# Altium PCB radxa_cm4_io_v1.10.PcbDoc (part 5 of 8) (continued)
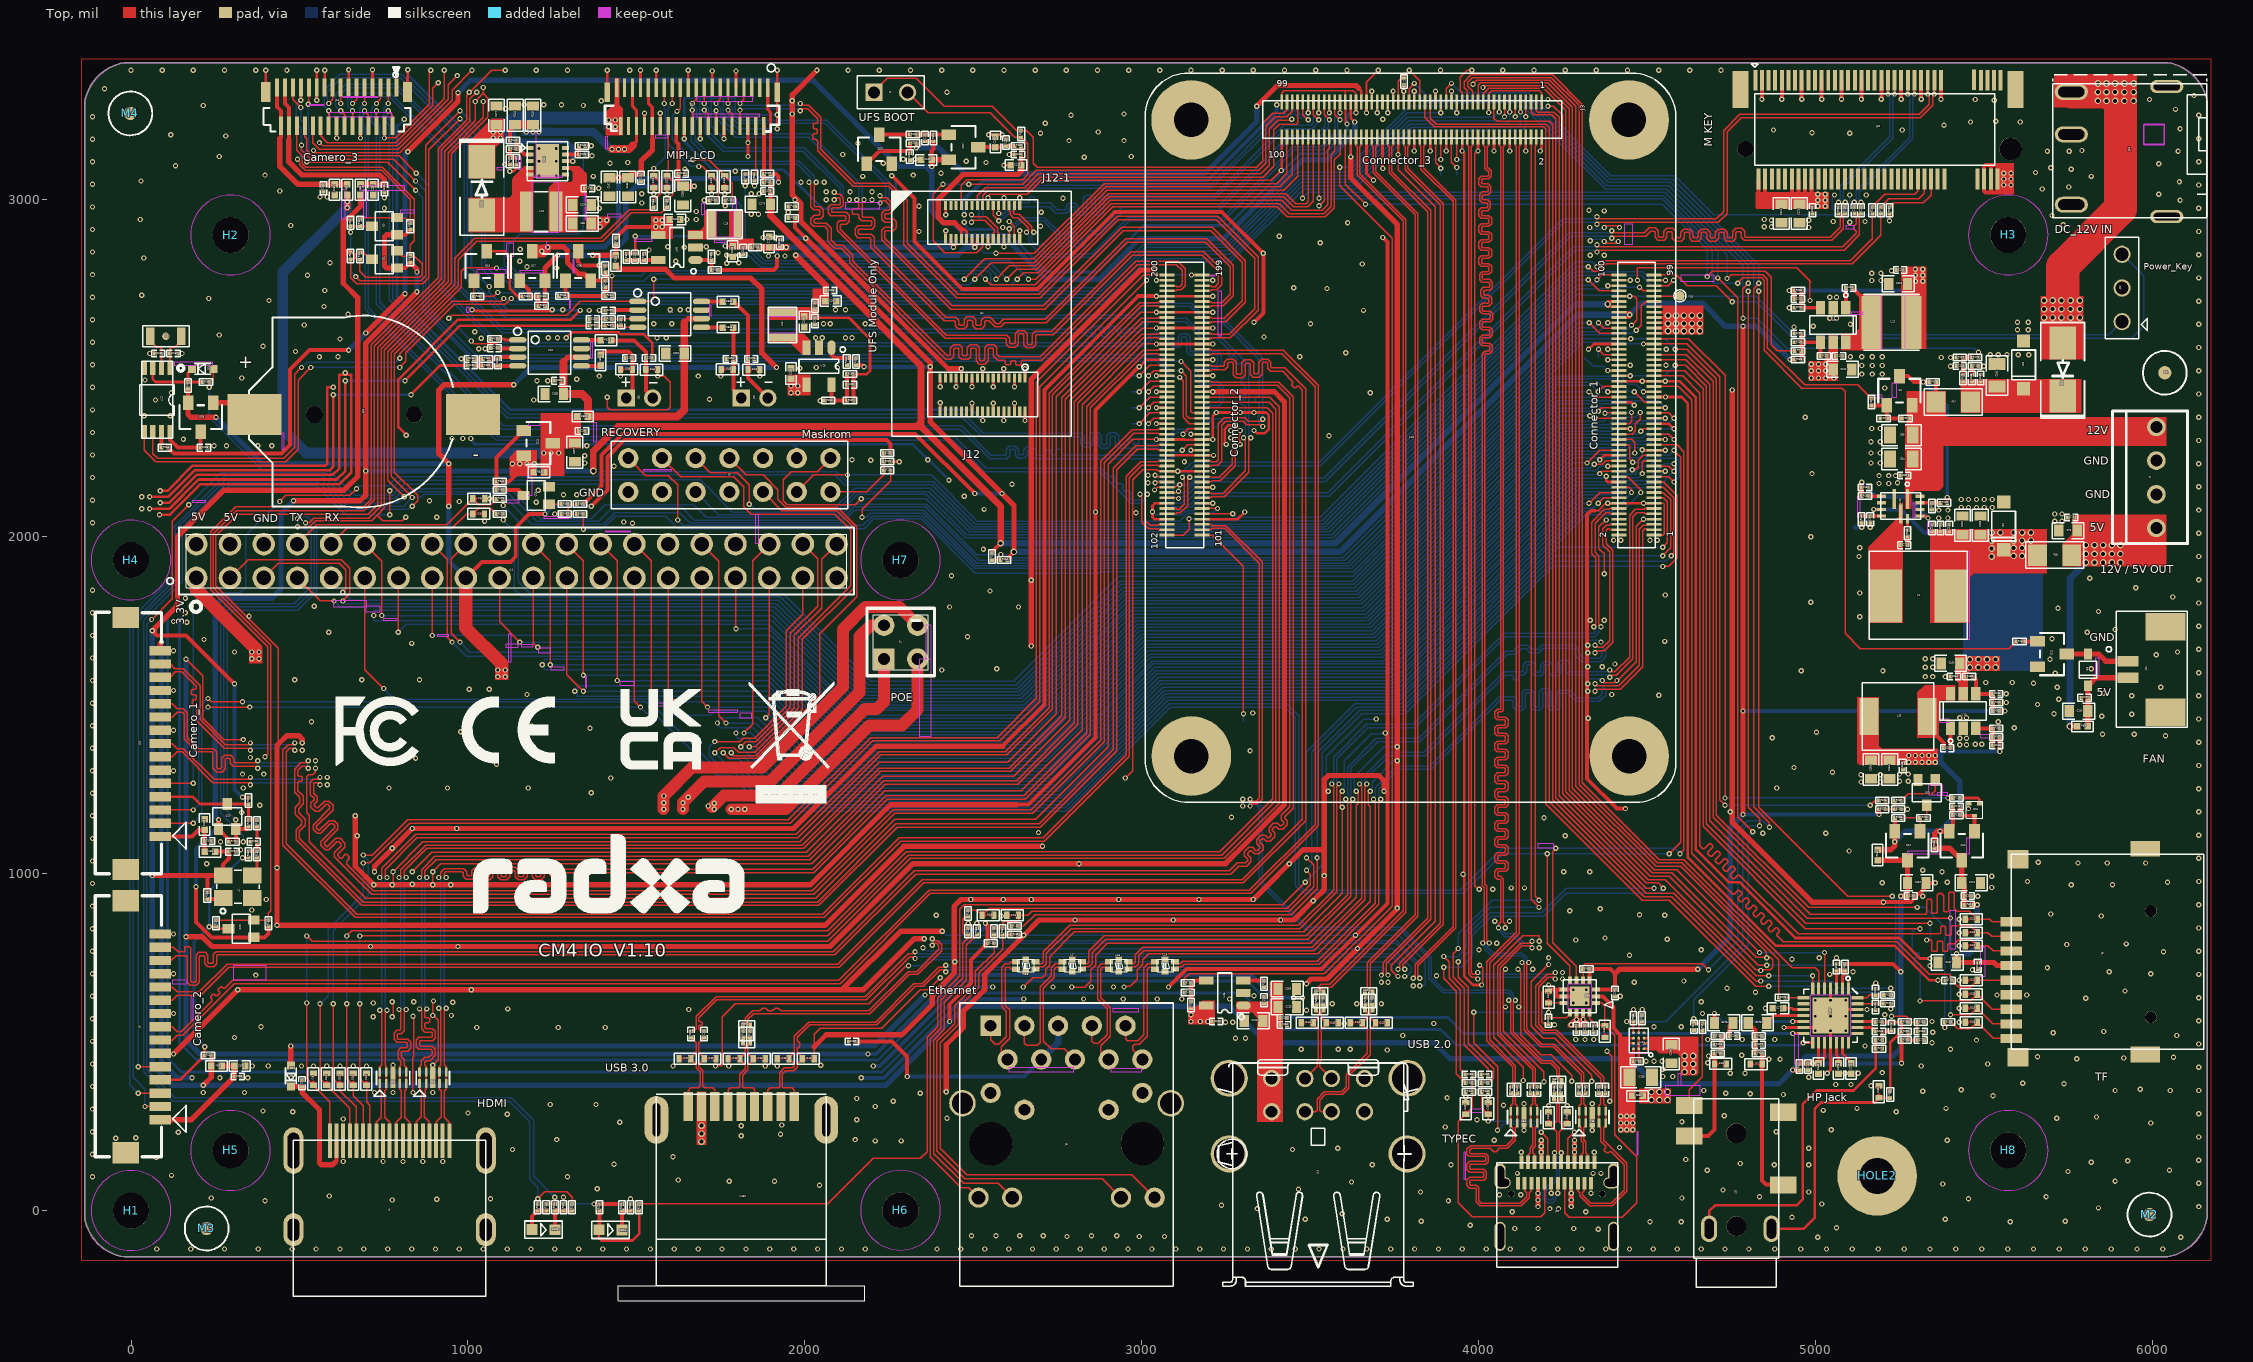
[diagram p0: Top view]
## Nets (pads, with @x,y where several pads share a name; then routed paths per layer and width w, separated by ;. In a path a pad name is that pad's centre, name@x,y a point inside that pad or via, vN(x,y) a via of type N, cw(c..) or ccw(c..) an arc to the next point about the centre after c; other vN are vias at no path point) (continued)
N19591867: R236.2 R246.2 U21.9 | length 65
  Top w11.81: U21.9@1289.37,3133.86 R236.2@1328.74,3133.86 R246.2@1328.74,3159.45
N19592734: R229.2 R233.2 U20.2 | length 167.5
  Top w11.81: R233.2@1877.95,3051.18 R229.2@1877.95,3076.77 U20.2@1877.95,3218.71
N19592784: Q16.1 R234.2 R235.1 R243.2 | length 189
  Top w11.81: Q16.1@1289.37,2759.84 R243.2@1289.37,2714.57 R234.2@1407.48,2714.57 R235.1@1407.48,2740.16
N23443315: C275.2 C280.1 FB16.1 R286.2 R316.1 | length 120.2
  Top w11.81: FB16.1@4718.5,466.54 R316.1@4718.5,492.13 R286.2@4718.5,517.72 C280.1@4744.09,517.72 4744.09,547.24 C275.2@4753.94,557.09
N31344489: FB23.1 U31.8 | length 57.5
  Top w11.81: U31.8@1336.61,2583.67 1392.71,2583.67 FB23.1@1393.7,2582.68
N31344544: C283.2 U31.2 | length 59.5
  Top w11.81: C283.2@1088.58,2559.06 1089.56,2558.07 U31.2@1147.64,2558.07
N31344597: C286.1 R334.2 U31.3 | length 86.7
  Top w11.81: R334.2@1062.99,2527.56 C286.1@1088.58,2527.56 1093.5,2532.48 U31.3@1147.64,2532.48
N31344662: C286.2 R335.2 U31.4 | length 92.9
  Top w11.81: R335.2@1062.99,2507.87 1059.06,2507.87 C286.2@1088.58,2507.87 1089.57,2506.89 U31.4@1147.64,2506.89
N31344668: FB24.1 U31.5 | length 57.5
  Top w11.81: U31.5@1336.61,2506.89 1392.71,2506.89 FB24.1@1393.7,2507.87
N31367008: C293.1 R336.2 U32.3 | length 77.2
  Top w3.94: R336.2@1427.17,2645.67 C293.1@1454.72,2645.67 1455.71,2646.65 U32.3@1503.94,2646.65
N31367020: C293.2 R337.2 U32.4 | length 78.8
  Top w3.94: R337.2@1427.17,2625.98 C293.2@1454.72,2625.98 1459.65,2621.06 U32.4@1503.94,2621.06
N31367085: FB25.1 U32.8 | length 63.4
  Top w11.81: U32.8@1692.91,2697.84 1754.92,2697.84 FB25.1@1755.91,2696.85
N31367111: C290.2 U32.2 | length 77.2
  Top w11.81: C290.2@1427.17,2671.26 1428.15,2672.25 U32.2@1503.94,2672.25
N31367151: FB26.1 U32.5 | length 63.4
  Top w11.81: U32.5@1692.91,2621.06 1754.93,2621.06 FB26.1@1755.91,2620.08
N34109734: C167.1 C168.1 J8.4 R31.2 | length 402.3
  Top w15.75: v1(5417.32,761.81) C167.1@5417.32,736.22 C168.1@5480.32,736.22 5528.35,736.22 5537.4,727.17 J8.4@5579.7,727.17 ; R31.2@5460.63,907.48 v1(5478.35,907.48)
  Bottom w15.75: v1(5417.32,761.81) 5454.72,761.81 5478.35,785.43 v1(5478.35,907.48)
N37314098: L22.1 U26.3
N37314100: C201.1 C203.1 C206.1 L22.2 R284.1 R287.1 R289.1 | length 416
  Top w7.87: C206.1@2029.53,2649.61 2129.92,2649.61 2192.91,2586.61 2192.91,2492.13 2183.07,2482.28 R289.1@2143.7,2482.28
  Top w11.81: R287.1@2143.7,2403.54 C201.1@2143.7,2450.79 R289.1@2143.7,2482.28
N37314140: C201.2 R287.2 R289.2 R318.1 U26.5 | length 171.3
  Top w11.81: U26.5@2078.74,2450.79 R318.1@2078.74,2403.54 R287.2@2124.02,2403.54 C201.2@2124.02,2450.79 R289.2@2124.02,2482.28
N37314178: L29.1 U30.3
N37314204: R331.2 R332.1 U30.1 | length 76.8
  Top w11.81: U30.1@1675.2,2820.87 R332.1@1722.44,2820.87 R331.2@1722.44,2791.34
N37314206: C242.2 R329.2 R330.1 U30.5 | length 96.5
  Top w3.94: R330.1@1519.68,2820.87 R330.1@1521.65,2820.87
  Top w11.81: R329.2@1470.47,2820.87 C242.2@1496.06,2820.87 1519.68,2820.87 U30.5@1564.96,2820.87
N37314307: C228.2 Q22.1 R321.2 R322.1 | length 96.5
  Top w11.81: R322.1@2330.71,3192.91 C228.2@2356.3,3192.91 R321.2@2381.89,3192.91 2396.65,3192.91 Q22.1@2427.16,3192.91
N37314321: Q23.3 R322.2 | length 90.6
  Top w11.81: Q23.3@2220.47,3192.92 2270.67,3192.92 R322.2@2311.02,3192.91
N37314323: C232.1 Q23.1 R323.2 | length 178.9
  Top w11.81: Q23.1@2183.07,3106.3 2220.48,3143.7 2311.02,3143.7 C232.1@2311.02,3137.8 R323.2@2311.02,3167.32
N38149696: C175.1 D8.2 J5.18 | length 399.4
  Top w11.81: 604.33,142.05 609.92,147.64 J5.18@609.92,207.82
  Top w15.75: D8.2@474.41,368.11 C175.1@507.87,368.11 507.87,350.39 559.06,299.21 559.06,141.73 564.96,135.83 598.11,135.83 604.33,142.05
N38162604: C150.1 R181.2 U10.6 | length 59.1
  Top w9.84: R181.2@5135.83,2061.02 C150.1@5161.42,2061.02 U10.6@5194.88,2061.02
N38162840: C163.1 R185.2 R202.1 R204.2 U13.4 | length 157.6
  Top w11.81: R185.2@5464.57,1584.65 5474.41,1574.8 U13.4@5474.41,1533.46 C163.1@5525.59,1533.46 R202.1@5525.59,1507.87 R204.2@5525.59,1482.28
N38162882: C152.2 L15.1 U13.6 | length 114.9
  Top w11.81: L15.1@5330.71,1466.54 5336.61,1460.63 5336.61,1431.1 5379.92,1387.8 C152.2@5379.92,1372.05
N38162884: C152.1 U13.1 | length 59.1
  Top w11.81: C152.1@5399.61,1372.05 U13.1@5399.61,1431.1
N38162900: C160.2 R187.2 R205.1 U13.3 | length 102.4
  Top w11.81: U13.3@5474.41,1431.1 R205.1@5525.59,1431.1 R187.2@5525.59,1405.51 C160.2@5525.59,1379.92
N38162991: D4.1 J24.1 | length 942.6
  Top w98.43: D4.1@5732.28,2574.8 5732.28,2801.18 5903.54,2972.44 5903.54,3287.4 5871.26,3319.69 J24.1@5757.87,3319.69
  other v2: 5677.17,2649.61 5702.76,2649.61 5728.35,2649.61 5755.91,2649.61 5783.46,2649.61 5677.17,2675.2 5702.76,2675.2 5728.35,2675.2 5755.91,2675.2 5783.46,2675.2 5677.17,2700.79 5702.76,2700.79 5728.35,2700.79 5755.91,2700.79 5783.46,2700.79 5836.61,3293.31 5862.2,3293.31 5887.8,3293.31 5915.35,3293.31 5942.91,3293.31 5836.61,3318.9 5862.2,3318.9 5887.8,3318.9 5915.35,3318.9 5942.91,3318.9 5836.61,3344.49 5862.2,3344.49 5887.8,3344.49 5915.35,3344.49 5942.91,3344.49
N38163032: C155.2 R201.2 | length 25.6
  Top w11.81: C155.2@5462.6,2480.31 R201.2@5462.6,2505.91
N38163042: C148.1 R176.1 R178.2 R179.2 | length 76.8
  Top w11.81: R176.1@5437.01,2480.31 C148.1@5437.01,2505.91 R179.2@5437.01,2531.5 R178.2@5462.6,2531.5
N38163178: C151.1 R182.2 U10.9 | length 308.3
  Top w7.87: U10.9@5309.06,2061.02 5326.77,2061.02 v1(5332.68,2055.12)
  Top w11.81: R182.2@5135.83,2120.08 C151.1@5135.83,2145.67 v1(5135.83,2161.42)
  Bottom w11.81: v1(5135.83,2161.42) 5179.13,2118.11 5269.68,2118.11 v1(5332.68,2055.12)
N38163182: C77.2 L2.1 U10.7
N38163194: R115.1 U10.8 | length 33.5
  Top w9.84: R115.1@5271.65,2019.69 U10.8@5271.66,2053.15
N38163196: C77.1 R115.2 | length 25.6
  Top w11.81: C77.1@5271.65,1974.41 R115.2@5271.65,2000
N38163206: R175.1 R177.2 U10.11 | length 63
  Top w3.94: R177.2@5344.49,2100.39 R177.2@5346.45,2100.39
  Top w9.84: U10.11@5309.06,2100.39 5346.46,2100.39 R175.1@5370.08,2100.39
N38163220: R182.1 U10.3 | length 39.4
  Top w9.84: R182.1@5155.51,2120.08 U10.3@5194.88,2120.08
N38163995: Q12.1 R206.1 R208.1 | length 94.5
  Top w3.94: R206.1@5253.94,1165.35 R208.1@5309.06,1165.35 Q12.1@5309.05,1125.99
N38164007: R209.2 R210.1 R326.2 R327.2 | length 78.7
  Top w3.94: R326.2@5206.69,1216.54 R327.2@5206.69,1190.94 R210.1@5234.25,1190.94 R209.2@5234.25,1216.54
N38164009: Q13.1 R209.1 | length 144.1
  Top w3.94: R209.1@5253.94,1216.54 5273.62,1236.22 5344.49,1236.22 5354.33,1246.06 Q13.1@5354.33,1277.56
N38164029: Q13.3 R208.2 | length 37.4
  Top w3.94: R208.2@5328.74,1165.35 Q13.3@5328.74,1202.76
N38175041: C173.2 Q14.1 Q15.3 R213.1 | length 115.2
  Top w11.81: C173.2@5427.17,1198.82 R213.1@5427.17,1173.23 5428.74,1171.65 Q15.3@5470.37,1171.65 5470.47,1171.56 Q14.1@5470.47,1125.99
N38175045: Q15.1 R230.2 | length 71.3
  Top w7.87: R230.2@5427.17,1224.41 5480.32,1224.41 5486.22,1218.5 Q15.1@5486.22,1208.66
N38179051: C187.2 U22.1 Y3.1 | length 114.1
  Top w5.91: U22.1@116.14,2500 C187.2@116.14,2543.31 116.14,2557.09 122.05,2562.99 131.89,2562.99 147.64,2578.74 147.64,2592.52 Y3.1@149.61,2594.49
N38179153: C189.2 U22.2 Y3.2 | length 114.1
  Top w5.91: Y3.2@57.09,2594.49 59.06,2592.52 59.06,2578.74 74.8,2562.99 84.65,2562.99 90.55,2557.09 C189.2@90.55,2543.31 U22.2@90.55,2500
N38179175: D30.2 R16.2 R265.2 U22.3 | length 228.6
  Top w7.87: U22.3@64.96,2500 64.96,2466.54 72.83,2458.66 R16.2@169.29,2458.66 ; D30.2@181.1,2498.03 169.29,2486.22 R16.2@169.29,2458.66 ; R265.2@212.6,2458.66 R16.2@169.29,2458.66
N38183775: D3.1 J11.8 R273.1 | length 661.7
  Top w3.94: J11.8@493.7,1977.56 551.57,2035.43 937.01,2035.43 D3.1@1014.17,2112.6 1032.28,2094.49 1066.93,2094.49 R273.1@1084.65,2112.2
N38194639: D2.1 J11.10 R274.1 | length 542.6
  Top w3.94: J11.10@593.7,1977.56 641.73,2025.59 952.76,2025.59 994.09,2066.93 D2.1@1013.78,2066.93 1031.5,2084.65 1066.93,2084.65 R274.1@1084.65,2066.93
N38198421: D35.2 FB8.3 R283.1 USB1.3 | length 258.1
  Top w3.94: R283.1@1836.61,513.78 1836.61,499.01 FB8.3@1837.6,499.01 1830.71,492.12 1830.71,466.54 D35.2@1846.46,450.79 1839.97,441.35 1830.71,432.09 1830.71,417.32 1814.96,401.57 1814.96,367.13 1817.91,364.17 1844.49,364.17 1850.39,358.27 USB1.3@1850.39,308.66
N38198427: C204.2 D39.2 USB1.8 | length 256.7
  Top w3.94: C204.2@1700.79,513.78 1685.04,498.03 1685.04,494.09 1685.04,469.49 1694.31,460.22 D39.2@1700.79,450.79 1694.31,441.35 1685.04,432.09 1685.04,426.49 1696.85,414.68 1696.85,370.08 1702.76,364.17 1726.38,364.17 1732.28,358.27 USB1.8@1732.28,308.66
N38198429: C205.2 D37.2 USB1.9 | length 255.6
  Top w3.94: USB1.9@1653.54,308.66 1653.54,356.3 1661.42,364.17 1683.07,364.17 1688.98,370.08 1688.98,411.42 1677.17,423.23 1677.17,432.09 1667.9,441.35 D37.2@1661.42,450.79 1667.9,460.22 1677.17,469.49 1677.17,494.09 1677.17,498.03 C205.2@1661.42,513.78
N38198493: D38.2 FB8.4 R282.1 USB1.2 | length 257.5
  Top w3.94: USB1.2@1771.65,308.66 1771.65,358.27 1777.56,364.17 1804.13,364.17 1807.09,367.13 1807.09,404.84 1822.83,420.58 1822.83,432.09 1813.57,441.35 D38.2@1807.09,450.79 1822.83,466.54 1822.83,492.12 FB8.4@1815.94,499.01 1816.93,500 R282.1@1816.93,513.78
N38202668: R277.2 R279.1 R280.1 U25.4 | length 103.7
  Top w11.81: R277.2@3145.67,620.08 R280.1@3145.67,647.64 R279.1@3145.67,675.2 3153.54,683.07 U25.4@3190.95,683.07
N38213216: R354.1 U37.D2 | length 37.5
  Top w3.94: U37.D2@4474.41,527.56 4474.41,551.18 R354.1@4484.25,561.02
N38228022: C197.1 C200.1 D6.2 FB9.2 J14.2 | length 251.3
  Top w3.94: C197.1@5807.09,1519.69 C197.1@5807.09,1521.65
  Top w15.75: FB9.2@5807.09,1437.01 C200.1@5807.09,1482.28 5807.09,1519.69 D6.2@5807.09,1557.09 5831.1,1581.1 J14.2@5926.38,1581.1
N38228074: D6.1 J14.1 Q21.3 | length 191.1
  Top w15.75: Q21.3@5744.1,1651.57 D6.1@5807.09,1651.57 5838.98,1651.57 5860.24,1630.32 J14.1@5926.38,1630.32
N38228088: Q21.1 R14.2 | length 43.3
  Top w11.81: R14.2@5614.17,1688.98 Q21.1@5657.48,1688.97
N38240450: C231.1 C233.1 FB4.1 J16.28 J16.29 | length 624.2
  Top w3.94: C233.1@718.5,3045.28 C233.1@719.36,3045.28
  Top w11.02: 468.5,3177.17 J16.28@468.5,3219.5
  Top w11.81: J16.29@456.69,3332.68 456.69,3285.43 468.5,3273.62 J16.28@468.5,3219.5
  Top w15.75: 468.5,3177.17 468.5,3112.2 507.87,3072.83 738.19,3072.83 751.97,3059.06 C231.1@751.97,3041.34 751.97,3045.28 719.36,3045.28 FB4.1@681.1,3045.28
N38240452: C234.1 C235.1 FB5.1 J16.30 J16.31 | length 465.3
  Top w3.94: C235.1@569.42,3045.28 570.87,3043.83 C235.1@570.87,3043.31 ; C234.1@604.02,3045.28 C234.1@604.33,3045.28
  Top w11.02: 440.94,3181.1 444.88,3185.04 J16.30@444.88,3219.5
  Top w11.81: J16.31@433.07,3332.68 433.07,3275.59 444.88,3263.78 J16.30@444.88,3219.5
  Top w15.75: 440.94,3181.1 440.94,3100.39 496.06,3045.28 569.42,3045.28 604.02,3045.28 FB5.1@641.73,3045.28
N38245392: Q24.1 R344.1 R350.1 | length 210.6
  Top w11.81: R350.1@1084.65,2137.8 R344.1@1084.65,2163.39 1084.65,2234.25 Q24.1@1165.35,2314.96
N38245412: R356.2 R357.2 R358.2 R359.1 | length 80.7
  Top w3.94: R356.2@1322.83,2066.93 R359.1@1297.24,2066.93 R358.2@1297.24,2096.46 R357.2@1322.83,2096.46
N38245414: Q25.1 R358.1 | length 37.4
  Top w3.94: Q25.1@1240.16,2096.46 R358.1@1277.56,2096.46
N38245434: Q25.3 R350.2 | length 67.5
  Top w11.81: R350.2@1104.33,2137.8 1149.61,2137.8 Q25.3@1165.36,2122.05
N38274077: Q1.3 R1.2 R175.2 | length 483.5
  Top w11.81: Q1.3@5248.03,2476.38 5273.62,2476.38 5291.34,2458.66 v1(5318.9,2458.66) R1.2@5336.61,2458.66 ; R175.2@5389.76,2100.39 v1(5389.76,2116.14)
  Bottom w11.81: v1(5318.9,2458.66) 5389.76,2387.8 v1(5389.76,2116.14)
N38274095: Q1.1 R2.2 R5.1 R6.2 | length 134
  Top w11.81: R2.2@5165.35,2389.76 5207.76,2389.76 5210.63,2386.89 Q1.1@5210.63,2389.76 R6.2@5210.63,2350.39 R5.1@5255.91,2350.39
N38368976: J2.2 J12.46 R15.2 | length 781.6
  Top w3.94: J2.2@2304.72,3318.5 2365.35,3257.87 2549.21,3257.87 2622.05,3185.04 R15.2@2641.73,3185.04 2661.42,3165.35 2661.42,3074.8 2645.67,3059.06 2480.51,3059.06 2464.17,3042.72 J12.46@2464.17,2982.28
N38434760: D41.2 J13.2 L23.4 R299.2 | length 461
  Top w3.94: J13.2@3483.46,293.31 3515.75,293.31 3519.68,297.24 3519.68,330.71 3541.34,352.36 3592.52,352.36 3606.3,366.14 3606.3,403.21 3669.29,466.2 3669.29,538.39 3660.03,547.65 D41.2@3653.54,557.09 3669.29,572.83 3669.29,590.54 L23.4@3662.4,597.44 3663.39,597.44 R299.2@3663.39,612.2
N38434788: D42.2 J13.3 L23.3 R301.2 | length 458.8
  Top w3.94: J13.3@3562.2,293.31 3531.5,293.31 3527.56,297.24 3527.56,327.45 3544.6,344.49 3595.78,344.49 3614.17,362.88 3614.17,399.94 3677.17,462.94 3677.17,538.39 3686.43,547.65 D42.2@3692.91,557.09 3677.17,572.83 3677.17,590.54 L23.3@3684.06,597.44 3683.07,598.42 R301.2@3683.07,612.2
N38448541: R281.1 U25.3 | length 61
  Top w11.81: U25.3@3301.18,683.07 R281.1@3362.2,683.07
N38452344: D44.2 J13.6 L24.4 R300.2 | length 252.7
  Top w3.94: J13.6@3483.46,391.73 3519.68,427.95 3519.68,444.54 3523.62,448.48 3523.62,538.39 3514.36,547.65 D44.2@3507.87,557.09 3523.62,572.83 3523.62,590.54 L24.4@3516.73,597.44 3517.72,598.42 R300.2@3517.72,612.2
N38452372: D43.2 J13.7 L24.3 R302.2 | length 252.1
  Top w3.94: R302.2@3537.4,612.2 3537.4,598.42 L24.3@3538.39,597.44 3531.5,590.54 3531.5,572.83 D43.2@3547.24,557.09 3540.76,547.65 3531.5,538.39 3531.5,445.22 3527.56,441.28 3527.56,426.38 J13.7@3562.2,391.73
N38457128: C169.2 J6.4 J6.5 | length 771.1
  Top w11.81: C169.2@2149.61,501.97 2257.87,501.97 2303.15,456.69 v1(2303.15,397.64)
  Bottom w11.81: v1(2303.15,397.64) 2650.39,397.64 J6.4@2701.18,448.43
  Bottom w19.68: J6.4@2701.18,448.43 2751.18,498.43 J6.5@2751.18,548.43
N38490894: J25.2 R26.2 R27.2 | length 971.3
  Top w7.87: J25.2@4683.07,-54.33 4683.07,-1.97 4700.79,15.75 4942.91,15.75 4960.63,33.46 4960.63,314.96 5001.97,356.3 5112.2,356.3 5177.17,421.26 R27.2@5177.17,480.32 R26.2@5177.17,505.91
N38492034: J25.4 R19.2 | length 239.9
  Top w3.94: J25.4@4624.02,311.81 4624.02,358.27 4663.39,397.64 R19.2@4663.39,535.43
N38837471: R276.2 U27.8 | length 53.1
  Top w3.94: R276.2@4909.45,631.89 U27.8@4962.6,631.89
N39005536: R303.2 R315.1 U26.1 | length 98.6
  Top w11.81: U26.1@2078.74,2561.02 2078.74,2539.37 2088.58,2529.53 R315.1@2124.02,2529.53 R303.2@2151.57,2529.53
NPWR_LED: R221.1 R222.2 U33.95 | length 8310.7
  Top w3.94: v1(767.72,2064.96) v1(767.72,2135.83) ; R221.1@1206.69,19.69 v1@1206.69,34.6 ; v1(1206.69,35.43) v1@1206.69,34.6 ; R222.2@1309.06,19.69 1309.06,39.37 1293.31,55.12 1227.22,55.12 v1@1206.69,34.6 ; U33.95@4520.08,2744.88 4561.42,2744.88 v1(4577.17,2760.63)
  Bottom w3.94: v1(767.72,2064.96) 637.8,2064.96 551.18,2151.57 291.34,2151.57 151.57,2011.81 151.57,1866.14 37.4,1751.97 37.4,411.42 124.02,324.8 1122.05,324.8 1183.07,263.78 1183.07,92.52 1206.69,68.9 v1(1206.69,35.43) ; v1(767.72,2135.83) 799.21,2167.32 1385.83,2167.32 1401.57,2183.07 2088.58,2183.07 2118.11,2153.54 2375.98,2153.54 2500,2029.53 3543.31,2029.53 4289.37,2775.59 4481.1,2775.59 4511.81,2744.88 4561.42,2744.88 v1(4577.17,2760.63)
PCIE0_CLKREQN_M0: R296.2 U33.102 | length 2586.1
  Top w3.94: U33.102@3074.8,2004.72 3122.83,2004.72 3139.76,2021.65 v1(3139.76,2053.15) ; v1(4324.8,2801.18) 4338.58,2787.4 4356.3,2787.4 4377.95,2809.06 5108.27,2809.06 5192.91,2893.7 R296.2@5192.91,2958.66
  Bottom w3.94: v1(3139.76,2053.15) 3171.8,2053.15 3177.71,2047.24 3535.43,2047.24 4289.37,2801.18 v1(4324.8,2801.18)
PCIE0_PERSTN: R295.2 U33.109 | length 2421.7
  Top w3.94: U33.109@3178.74,2067.72 v1(3269.29,2067.72) ; v1(4350.39,2801.18) 4368.11,2818.9 5102.36,2818.9 5167.32,2883.86 R295.2@5167.32,2958.66
  Bottom w3.94: v1(3269.29,2067.72) 3279.92,2057.09 3529.53,2057.09 4287.4,2814.96 4336.61,2814.96 v1(4350.39,2801.18)
PCIE0_PWREN_H: J3.76 R7.1 | length 1856.2
  Top w3.94: J3.76@3603.55,3185.83 3603.55,3177.1 3603.54,3046.06 v1(3663.39,2986.22) ; v1(4677.17,2771.65) 4692.91,2787.4 4850.39,2787.4 4868.11,2769.69 4868.11,2568.9 4885.83,2551.18 R7.1@4937.01,2551.18
  Bottom w3.94: v1(3663.39,2986.22) 4543.31,2986.22 4677.17,2852.36 v1(4677.17,2771.65)
PCIE0_SOC_REFCLKN: J30.53 U33.112 | length 3043.9
  Top w3.94: U33.112@3074.8,2083.46 3100.39,2083.46 3103.35,2080.51 3110.1,2080.51 3125.98,2096.4 3125.98,2170.08 v1(3120.08,2175.98) ; v1(4350.39,2948.82) 4356.3,2942.91 4704.65,2942.91 4726.38,2964.64 4726.38,3204.79 4774.54,3252.95 5306.23,3252.95 5336.81,3283.53 5336.81,3308.27 v1(5331.89,3313.19) J30.53@5331.89,3354.53
  Bottom w3.94: v1(3120.08,2175.98) 3125.98,2181.89 3125.98,2196.85 3149.61,2220.47 3525.59,2220.47 4248.03,2942.91 4344.49,2942.91 v1(4350.39,2948.82)
PCIE0_SOC_REFCLKP: J30.55 U33.110 | length 3060.7
  Top w3.94: U33.110@3074.8,2067.72 3100.39,2067.72 3103.35,2070.67 3114.17,2070.67 3135.83,2092.32 3135.83,2170.08 v1(3141.73,2175.98) ; v1(4350.39,2927.17) 4356.3,2933.07 4710.7,2933.07 4736.22,2958.59 4736.22,3200.72 4778.61,3243.11 5310.31,3243.11 5346.65,3279.46 5346.65,3308.27 v1(5351.58,3313.19) J30.55@5351.57,3354.53
  Bottom w3.94: v1(3141.73,2175.98) 3135.83,2181.89 3135.83,2191.73 3154.72,2210.63 3529.67,2210.63 4252.11,2933.07 4344.49,2933.07 v1(4350.39,2927.17)
PCIE0_SOC_RXN: R293.1 U33.118 | length 2601.9
  Top w3.94: U33.118@3074.8,2130.71 3104.33,2130.71 v1(3108.27,2134.65) ; v1(4393.7,2907.48) 4393.7,2903.54 4395.67,2901.57 4491,2901.57 4505.77,2916.34 4523.76,2916.34 4532.48,2907.62 4532.48,2891.73 4535.43,2888.78 4545.28,2888.78 4548.23,2891.73 4548.23,2905.65 4556.95,2914.37 4574.94,2914.37 4583.66,2905.65 4583.66,2889.76 4586.61,2886.81 4596.46,2886.81 4599.41,2889.76 4599.41,2903.68 4608.13,2912.4 4626.12,2912.4 4634.84,2903.68 4634.84,2889.76 4637.8,2886.81 4647.64,2886.81 4650.59,2889.76 4650.59,2903.68 4659.31,2912.4 4677.31,2912.4 4686.02,2903.68 4686.02,2889.76 4688.98,2886.81 4698.82,2886.81 4701.77,2889.76 4701.77,2903.68 4710.49,2912.4 4728.49,2912.4 4737.2,2903.68 4737.2,2889.76 4740.16,2886.81 4750,2886.81 4752.95,2889.76 4752.95,2905.65 4761.67,2914.37 4779.67,2914.37 4788.39,2905.65 4788.39,2891.73 4791.34,2888.78 5043.24,2888.78 5071.85,2917.39 5071.85,2953.74 R293.1@5066.93,2958.66
  Bottom w3.94: v1(3108.27,2134.65) 3114.17,2128.74 3125.84,2128.74 3170.33,2173.23 3183.99,2173.23 3539.37,2173.23 4267.72,2901.57 4387.8,2901.57 v1(4393.7,2907.48)
PCIE0_SOC_RXP: R294.1 U33.116 | length 2617.4
  Top w3.94: U33.116@3074.8,2114.96 3106.3,2114.96 v1(3108.27,2112.99) ; v1(4393.7,2885.83) 4393.7,2889.76 4395.67,2891.73 4495.08,2891.73 4509.84,2906.5 4519.69,2906.5 4522.64,2903.54 4522.64,2887.66 4531.36,2878.94 4549.35,2878.94 4558.07,2887.66 4558.07,2901.57 4561.02,2904.53 4570.87,2904.53 4573.82,2901.57 4573.82,2885.69 4582.54,2876.97 4600.53,2876.97 4609.25,2885.69 4609.25,2899.61 4612.2,2902.56 4622.05,2902.56 4625,2899.61 4625,2885.69 4633.72,2876.97 4651.71,2876.97 4660.43,2885.69 4660.43,2899.61 4663.39,2902.56 4673.23,2902.56 4676.18,2899.61 4676.18,2885.69 4684.9,2876.97 4702.9,2876.97 4711.61,2885.69 4711.61,2899.61 4714.57,2902.56 4724.41,2902.56 4727.36,2899.61 4727.36,2885.69 4736.08,2876.97 4754.08,2876.97 4762.8,2885.69 4762.8,2901.57 4765.75,2904.53 4775.59,2904.53 4778.54,2901.57 4778.54,2887.66 4787.26,2878.94 5047.31,2878.94 5081.69,2913.32 5081.69,2953.74 R294.1@5086.61,2958.66
  Bottom w3.94: v1(3108.27,2112.99) 3114.17,2118.9 3129.92,2118.9 3174.41,2163.39 3543.45,2163.39 4271.79,2891.73 4387.8,2891.73 v1(4393.7,2885.83)
PCIE0_SOC_TXN: C221.1 U33.124 | length 2596.5
  Top w3.94: v1(3038.98,2181.89) 3042.91,2177.95 U33.124@3074.8,2177.95 ; v1(4350.39,2866.14) 4356.3,2860.24 5079.65,2860.24 5119.09,2899.68 5119.09,2906.5 5112.2,2913.39 5112.2,2921.26 5119.09,2928.15 5119.09,2953.74 C221.1@5114.17,2958.66
  Bottom w3.94: v1(3038.98,2181.89) 3044.88,2175.98 3059.06,2175.98 3080.71,2154.33 3080.71,2098.56 3090.69,2088.58 3118.11,2088.58 3125.98,2096.46 3143.56,2096.46 3177.03,2129.92 3186.87,2129.92 3551.18,2129.92 4281.5,2860.24 4344.49,2860.24 v1(4350.39,2866.14)
PCIE0_SOC_TXP: C222.1 U33.122 | length 2606.3
  Top w3.94: v1(3038.98,2160.24) 3040.94,2162.2 U33.122@3074.8,2162.2 ; v1(4350.39,2844.49) 4356.3,2850.39 5083.73,2850.39 5128.94,2895.6 5128.94,2953.74 C222.1@5133.86,2958.66
  Bottom w3.94: v1(3038.98,2160.24) 3044.88,2166.14 3054.98,2166.14 3070.87,2150.25 3070.87,2094.49 3086.61,2078.74 3122.19,2078.74 3130.06,2086.61 3147.64,2086.61 3181.1,2120.08 3555.26,2120.08 4285.57,2850.39 4344.49,2850.39 v1(4350.39,2844.49)
PCIE0_WAKEN_M0: J3.37 R297.2 | length 1552.2
  Top w3.94: J3.37@3902.76,3289.77 3902.76,3298 3902.76,3329.13 v1(3918.5,3344.88) ; v1(5218.5,2937.01) R297.2@5218.5,2958.66
  Bottom w3.94: v1(3918.5,3344.88) 3946.46,3316.93 4145.67,3316.93 4391.73,3070.87 4580.71,3070.87 4696.85,2954.72 5200.79,2954.72 v1(5218.5,2937.01)
PCIE1_CLKREQN_M0: J3.34 P15.1 | length 88.6
  Top w3.94: v1(3934.25,3118.9) 3934.25,3180.7 J3.34@3934.26,3185.83
  Bottom w3.94: v1(3934.25,3118.9) P15.1@3955.91,3118.9
PCIE1_PERSTN: J3.36 P16.1 | length 118.7
  Top w3.94: J3.36@3918.51,3185.83 3918.51,3181.3 3918.5,3111.02 v1(3934.25,3095.28)
  Bottom w3.94: P16.1@3934.25,3073.62 v1(3934.25,3095.28)
PCIE1_REFCLKN: J3.42 P13.1 | length 120.7
  Top w3.94: J3.42@3871.26,3185.83 3871.26,3180.4 3871.26,3109.06 v1(3887.01,3093.31)
  Bottom w3.94: P13.1@3887.01,3071.65 v1(3887.01,3093.31)
PCIE1_REFCLKP: J3.40 P12.1 | length 88.6
  Top w3.94: v1(3887.01,3118.9) 3887.01,3176.7 J3.40@3887.01,3185.83
  Bottom w3.94: P12.1@3865.35,3118.9 v1(3887.01,3118.9)
PCIE1_RXN/USB3_OTG1_SSRXN: D40.2 J3.60 USB1.5 | length 4722.8
  Top w3.94: USB1.5@1968.5,308.66 1968.5,357.68 1962.01,364.17 1936.02,364.17 1933.07,367.13 1933.07,406.19 1942.24,415.35 1966.54,415.35 1976.38,425.2 1976.38,435.04 D40.2@1992.13,450.79 1985.64,460.22 1976.38,469.49 1976.38,480.31 1984.25,488.19 1984.25,496.06 1976.38,503.94 1976.38,513.78 2013.78,551.18 2212.6,551.18 2326.77,665.35 2351.69,665.35 2400.9,714.57 2411.42,714.57 v1(2417.32,708.66) ; v1(3710.63,698.82) 3716.54,704.72 3716.54,735.21 3848.43,867.1 3848.43,2964.57 3733.46,3079.53 3733.46,3157.48 3729.53,3161.42 3729.53,3183.8 J3.60@3729.53,3185.83
  Bottom w3.94: v1(2417.32,708.66) 2423.23,714.57 3711.31,714.57 3716.54,709.34 3716.54,704.72 v1(3710.63,698.82)
PCIE1_RXP/USB3_OTG1_SSRXP: D36.2 J3.58 USB1.6 | length 4742.3
  Top w3.94: USB1.6@1889.76,308.66 1889.76,357.68 1896.26,364.17 1922.24,364.17 1925.2,367.13 1925.2,409.45 1938.98,423.23 1963.27,423.23 1968.5,428.46 1968.5,435.04 D36.2@1952.76,450.79 1959.24,460.22 1968.5,469.49 1968.5,517.04 2010.52,559.06 2209.34,559.06 2323.51,673.23 2348.43,673.23 2397.64,722.44 2411.42,722.44 v1(2417.32,728.35) ; v1(3730.32,698.82) 3724.41,704.72 3724.41,731.95 3856.3,863.84 3856.3,2967.83 3741.34,3082.79 3741.34,3157.48 3745.28,3161.42 3745.28,3182.7 J3.58@3745.28,3185.83
  Bottom w3.94: v1(2417.32,728.35) 2423.23,722.44 3714.57,722.44 3724.41,712.6 3724.41,704.72 v1(3730.32,698.82)
PCIE1_TXN/USB3_OTG1_SSTXN: C204.1 J3.54 | length 4819.3
  Top w3.94: C204.1@1700.79,533.46 1690.94,533.46 1685.04,539.37 1685.04,547.24 1687.01,549.21 1692.91,549.21 1694.88,551.18 1694.88,559.06 1692.91,561.02 1687.01,561.02 1685.04,562.99 1685.04,572.83 1738.03,625.83 2182.24,625.83 2310.35,753.94 2320.87,753.94 v1(2326.77,748.03) ; v1(3759.84,716.54) 3765.75,722.44 3765.75,733.24 3885.83,853.32 3885.83,2984.25 3780.71,3089.37 3780.71,3157.48 3776.77,3161.42 J3.54@3776.77,3182.2 ; J3.54@3776.78,3182.2 J3.54@3776.78,3185.83
  Bottom w3.94: v1(2326.77,748.03) 2332.68,753.94 3740.83,753.94 3765.75,729.02 3765.75,722.44 v1(3759.84,716.54)
PCIE1_TXP/USB3_OTG1_SSTXP: C205.1 J3.52 | length 4830.1
  Top w3.94: C205.1@1661.42,533.46 1671.26,533.46 1677.17,539.37 1677.17,576.1 1734.77,633.7 1736.4,633.7 1736.54,633.84 2179.29,634.01 2307.09,761.81 2320.87,761.81 v1(2326.77,767.72) ; v1(3779.53,716.54) 3773.79,722.27 3773.79,730.15 3893.7,850.06 3893.7,2987.51 3788.58,3092.63 3788.58,3157.48 3792.52,3161.42 3792.52,3181.9 J3.52@3792.52,3185.83
  Bottom w3.94: v1(2326.77,767.72) 2332.68,761.81 3744.09,761.81 3773.62,732.28 3773.62,722.44 v1(3779.53,716.54)
PDM1_CLK1_M1: J17.5 U33.96 | length 3148.9
  Top w3.94: v1(4382.28,2744.88) U33.96@4415.35,2744.88
  Bottom w3.94: J17.5@1675.59,2132.68 1743.31,2064.96 2095.53,2064.96 2156.56,2125.98 2360.24,2125.98 2480.32,2005.91 3562.68,2005.91 4293,2736.22 4373.62,2736.22 v1(4382.28,2744.88)
PDM1_SDI1_M1: J17.6 U33.94 | length 3232.9
  Top w3.94: J17.6@1675.59,2232.68 1719.29,2188.98 1799.21,2188.98 1834.65,2153.54 v1(1834.65,2096.46) ; v1(4324.8,2761.81) 4357.48,2729.13 U33.94@4415.35,2729.13
  Bottom w3.94: v1(1834.65,2096.46) 1850.39,2080.71 2084.65,2080.71 2147.64,2143.7 2372.05,2143.7 2494.09,2021.65 3549.21,2021.65 4289.37,2761.81 v1(4324.8,2761.81)
PDM1_SDI2_M1: J17.11 U33.111 | length 1388.3
  Top w3.94: J17.11@1975.59,2132.68 2025.98,2183.07 v1(2125.98,2183.07) ; U33.111@3178.74,2083.46 v1(3224.41,2083.46)
  Bottom w3.94: v1(2125.98,2183.07) 2374.02,2183.07 2511.81,2045.28 3112.2,2045.28 3135.83,2068.9 3209.84,2068.9 v1(3224.41,2083.46)
PHY1_LED0_Y1: R242.2 U33.19 | length 2877.4
  Top w3.94: R242.2@2631.89,844.49 2649.61,844.49 2683.07,877.95 3442.91,877.95 3519.68,954.72 v1(3519.68,1047.24) ; U33.19@4520.08,2146.46 4547.24,2146.46 4578.74,2114.96 4578.74,1950.79 v1(4570.87,1942.91)
  Bottom w3.94: v1(3519.68,1047.24) 3519.68,1358.27 3645.67,1484.25 3777.56,1484.25 4220.47,1927.17 4555.12,1927.17 v1(4570.87,1942.91)
PHY1_LED1_G: D16.1 R252.1 U33.17 | length 2982.5
  Top w3.94: R252.1@2484.25,891.73 2509.84,891.73 D16.1@2525.59,875.98 2547.24,897.64 3431.1,897.64 3500,966.54 3500,998.03 v1(3488.19,1009.84) ; U33.17@4520.08,2130.71 4547.24,2130.71 4568.9,2109.06 4568.9,1966.54 v1(4545.28,1942.91)
  Bottom w3.94: v1(3488.19,1009.84) 3503.94,1025.59 3503.94,1362.2 3635.83,1494.09 3773.62,1494.09 4222.44,1942.91 v1(4545.28,1942.91)
PHY1_LED2_Y: D15.1 R237.2 R241.1 U33.15 | length 2917.4
  Top w3.94: R241.1@2561.02,838.58 R237.2@2586.61,838.58 2586.61,852.36 2592.52,858.27 2629.92,858.27 2633.86,862.2 D15.1@2633.86,875.98 2661.42,875.98 2673.23,887.8 3437.01,887.8 3509.84,960.63 3509.84,1025.59 v1(3488.19,1047.24) ; U33.15@4520.08,2114.96 4547.24,2114.96 4559.06,2103.15 4559.06,1982.28 v1(4545.28,1968.5)
  Bottom w3.94: v1(3488.19,1047.24) 3488.19,1360.24 3631.89,1503.94 3769.68,1503.94 4234.25,1968.5 v1(4545.28,1968.5)